# Altium PCB GameBoard_V1I1.PcbDoc (part 8 of 22)
Units mil, origin at the board's own origin, x right, y up, seen from the top; angles counter-clockwise.
Board outline 7165.35 x 2814.96 mil, 12 copper layers (L1, L2, L3, L4, L5 (PWR), L6 (PWR), L7 (PWR), L8 (PWR), L9, L10, L11, L12), stack 61.575 mil thick; 1551 components, 1072 nets, 5467 pads, 3785 vias.
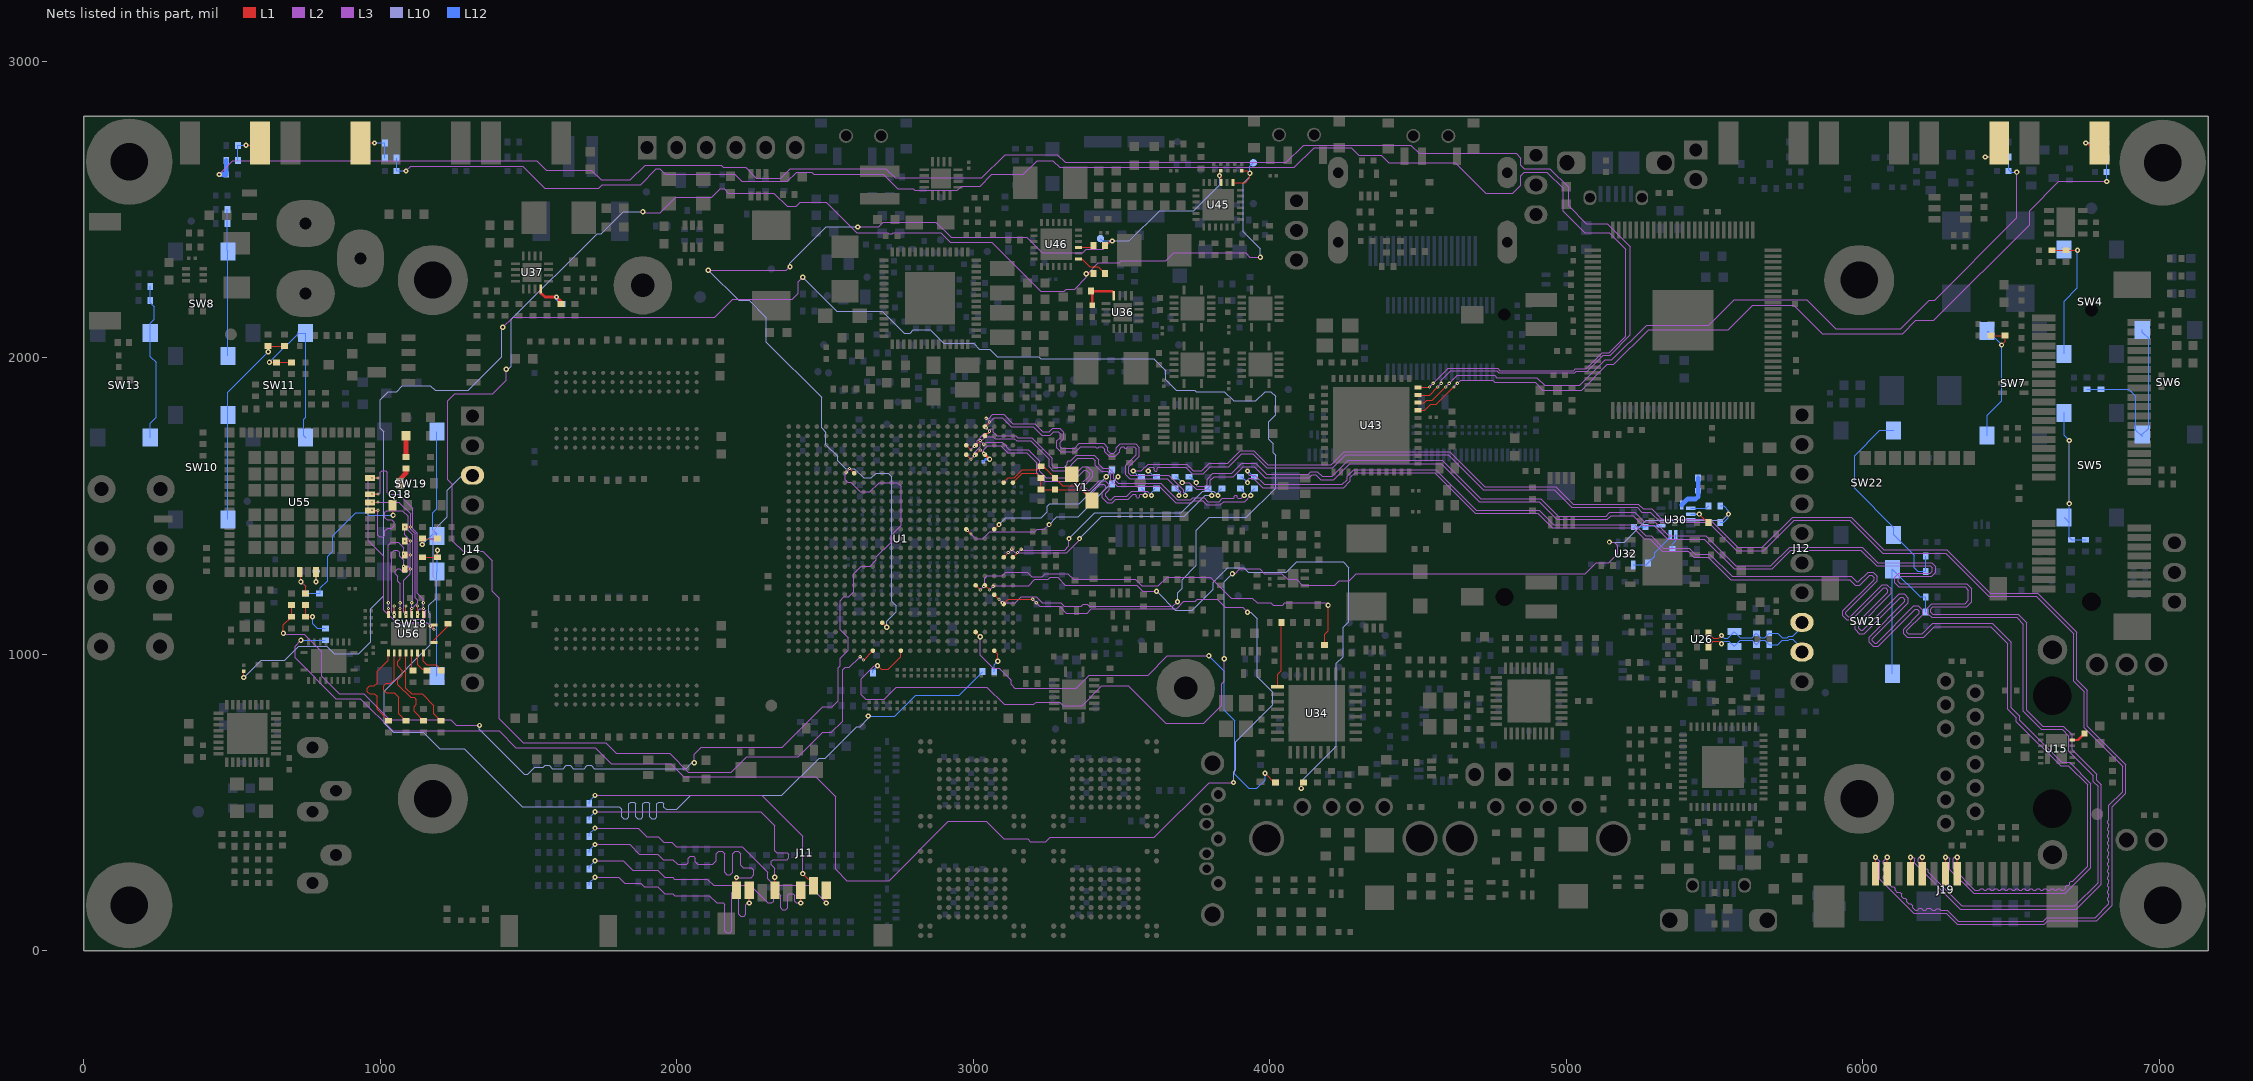
[diagram p18: the nets of this part, all layers, seen from the top]

## Via types
v1: diameter 17.72, hole 7.87, L1 to L12, 1935 vias
v2: diameter 17.72, hole 7.87, L1 to L12, tented both sides, 995 vias
v3: diameter 10.63, hole 3.94, L1 to L2, 334 vias
v4: diameter 11.81, hole 3.94, L2 to L3, 334 vias
v5: diameter 10.63, hole 3.94, L11 to L12, 94 vias
v6: diameter 11.81, hole 3.94, L10 to L11, 93 vias

## Nets (pads, with @x,y where several pads share a name; then routed paths per layer and width w, separated by ;. In a path a pad name is that pad's centre, name@x,y a point inside that pad or via, vN(x,y) a via of type N, cw(c..) or ccw(c..) an arc to the next point about the centre after c; other vN are vias at no path point) (continued)
BOOT_CLK: J11.5 R618.2 R619.2 | length 975.3
  L1 w3.15: J11.5@2331.3,203.74 v2@2331.3,248.03
  L3 w3.15: v1(1724.41,468.5) 2283.46,468.5 2331.3,420.67 2331.3,350.39 2331.3,336.61 2337.2,330.71 2371.96,330.71 2377.87,324.8 2377.87,312.99 2371.96,307.09 2331.3,307.09 2325.39,307.09 2319.49,301.18 2319.49,289.37 2325.39,283.46 2331.3,277.56 2331.3,271.65 v2@2331.3,248.03
  L12 w3.15: R618.2@1704.72,440.95 1704.72,448.82 v1(1724.41,468.5)
  other v2: 2330.71,248.03
BOOT_CMD: J11.3 R616.2 R617.2 | length 975.3
  L1 w3.15: v2(2417.91,160.83) J11.3@2417.91,203.74
  L3 w3.15: v1(1724.41,303.15) 1818.9,303.15 1851.38,270.67 1935.25,270.67 1958.87,247.05 1985.75,247.05 1991.66,241.14 2010.05,241.14 2103.35,241.14 2124.02,220.47 2248.03,220.47 2307.68,160.83 2314.96,160.83 2320.87,160.83 2326.77,166.73 2326.77,186.51 2332.68,192.42 2344.49,192.42 2350.39,186.51 2350.39,160.83 2350.39,143.95 2356.3,138.04 2368.11,138.04 2374.02,143.95 2374.02,160.83 2374.02,186.51 2379.92,192.42 2391.73,192.42 2397.64,186.51 2397.64,166.73 2403.54,160.83 v2(2417.91,160.83)
  L12 w3.15: R616.2@1704.72,275.59 1704.72,283.46 v1(1724.41,303.15)
BOOT_DATA0: J11.7 R221.2 R229.2 | length 975.3
  L1 w3.15: v2(2244.69,160.83) J11.7@2244.69,203.74
  L3 w3.15: v1(1724.41,248.03) 1804.13,248.03 1824.8,227.36 1878.94,227.36 1890.75,215.55 1935.25,215.55 1958.87,191.93 1985.75,191.93 1992.64,185.04 2110.24,185.04 2134.45,160.83 2137.8,160.83 2156.1,160.83 2162.01,154.92 2162.01,66.84 2167.91,60.93 2179.72,60.93 2185.63,66.84 2185.63,160.83 2185.63,194.98 2191.54,200.88 2203.35,200.88 2209.25,194.98 2209.25,160.83 2209.25,122.69 2215.16,116.78 2226.97,116.78 2232.87,122.69 2232.87,154.92 2238.78,160.83 v2(2244.69,160.83)
  L12 w3.15: R221.2@1704.72,220.47 1704.72,228.35 v1(1724.41,248.03)
BOOT_DATA1: J11.8 R230.2 R559.2 | length 977.2
  L1 w3.15: J11.8@2201.38,203.74 v2(2201.38,246.65)
  L3 w3.15: v1(1724.41,358.27) 1841.54,358.27 1874.02,325.79 1935.25,325.79 1953.95,307.09 1987,307.09 2002.74,291.34 2033.46,291.34 2039.37,297.24 2039.37,312.01 2045.28,317.92 2057.09,317.92 2062.99,312.01 2062.99,299.21 2070.87,291.34 2122.05,291.34 2133.86,303.15 2133.86,326.77 2141.73,334.65 2153.54,334.65 2161.42,326.77 2161.42,263.78 2169.29,255.91 2181.1,255.91 2188.98,263.78 2188.98,326.77 2196.85,334.65 2207.31,334.65 2215.34,326.61 2215.34,288.6 2224.41,279.53 2251.97,279.53 2259.84,271.65 2259.84,255.91 2250.59,246.65 v2(2201.38,246.65)
  L12 w3.15: R230.2@1704.72,330.71 1704.72,338.58 v1(1724.41,358.27)
BOOT_DATA2: J11.1 R560.2 R561.2 | length 975.3
  L1 w3.15: v2(2504.53,160.83) J11.1@2504.53,203.74
  L3 w3.15: v1(1724.41,413.39) 1870.08,413.39 1898.62,384.84 1937.99,384.84 1956.69,366.14 1983.06,366.14 1998.81,350.39 2220.47,350.39 2307.09,263.78 2307.09,243.32 2329.93,220.47 2444.88,220.47 v2(2504.53,160.83)
  L12 w3.15: R560.2@1704.72,385.83 1704.72,393.7 v1(1724.41,413.39)
BOOT_DATA3: J11.2 R580.2 R615.2 | length 974.8
  L1 w3.15: v2(2425.2,259.84) 2461.22,223.82 J11.2@2461.22,219.49
  L3 w3.15: v1(1724.41,523.62) 2287.4,523.62 2425.2,385.83 v2(2425.2,259.84)
  L12 w3.15: R580.2@1704.72,496.06 1704.72,503.94 v1(1724.41,523.62)
BOOT_MODE0: R82.1 R86.2 U1.C12 | length 493.3
  L1 w3.15: U1.C12@3070.87,1421.26 v1(3086.61,1437.01)
  L10 w3.15: v1(3086.61,1437.01) 3109.96,1460.35 3228.59,1460.35 3249.02,1480.78 3249.02,1498.24 3258.49,1507.72 3358.11,1507.72 v1(3448.82,1598.43)
  L12 w3.15: v1(3448.82,1598.43) 3468.5,1618.11 R86.2@3468.5,1622.05
BOOT_MODE1: R81.1 R85.2 U1.F12 | length 680.4
  L1 w3.15: U1.F12@2976.38,1421.26 v3(2992.13,1405.51)
  L3 w3.15: v4(2980.31,1417.32) 3007.88,1389.76 3031.5,1389.76 3055.12,1413.39 3208.14,1413.39 3216.02,1421.26 3240.16,1421.26 v2(3255.91,1437.01)
  L10 w3.15: v2@3259.84,1437.01 v2(3255.91,1437.01) 3282.48,1463.58 3353.35,1463.58 3452.08,1562.32 v1(3488.19,1598.43)
  L2 w3.15: v4(2980.31,1417.32) v3(2992.13,1405.51)
  L12 w3.15: R81.1@3468.5,1574.8 3468.5,1578.74 v1(3488.19,1598.43)
BT_AUD_CLK: U55.60 U56.1 | length 735.4
  L1 w3.15: U55.60@965.55,1594.49 v3(992.13,1594.49) ; v3(1181.1,1082.68) U56.1@1181.1,1098.43
  L3 w3.15: v4(972.44,1594.49) 965.55,1594.49 959.65,1588.58 959.65,1382.87 1011.81,1330.71 1011.81,1148.62 1055.12,1105.31 1158.46,1105.31 v4(1169.29,1094.49)
  L2 w3.15: v4(972.44,1594.49) v3(992.13,1594.49) ; v4(1169.29,1094.49) v3(1181.1,1082.68)
BT_AUD_FSYNC: U55.58 U56.3 | length 723.7
  L1 w3.15: U55.58@965.55,1539.37 991.14,1539.37 v3(992.13,1540.35) ; U56.3@1145.67,1133.86 v3(1145.67,1153.54)
  L3 w3.15: v4@972.44,1539.37 994.09,1539.37 1000,1545.28 1000,1613.46 1005.91,1619.37 1017.72,1619.37 1023.62,1613.46 1023.62,1544.29 1028.54,1539.37 1062.99,1539.37 1110.24,1492.13 1110.24,1423.8 1125.39,1408.65 1125.39,1205.32 1145.67,1185.04 v4(1145.67,1173.23)
  L2 w3.15: v4(972.44,1540.35) v3(992.13,1540.35) ; v3(1145.67,1153.54) v4(1145.67,1173.23)
BT_AUD_IN: U55.56 U56.5 | length 722.5
  L1 w3.15: U55.56@965.55,1484.25 991.14,1484.25 v3(992.13,1485.24) ; U56.5@1106.3,1133.86 v3(1106.3,1153.54)
  L3 w3.15: v4@972.44,1484.25 986.22,1484.25 992.13,1478.35 992.13,1401.57 998.03,1395.67 1009.84,1395.67 1015.75,1401.57 1015.75,1416.34 1024.61,1425.2 1039.37,1425.2 1047.24,1433.07 1047.24,1444.88 1039.37,1452.76 1023.62,1452.76 1015.75,1460.63 1015.75,1478.35 1021.65,1484.25 1074.8,1484.25 1094.49,1464.57 1094.49,1417.28 1109.65,1402.12 1109.65,1176.57 v4(1106.3,1173.23)
  L2 w3.15: v4(972.44,1485.24) v3(992.13,1485.24) ; v3(1106.3,1153.54) v4(1106.3,1173.23)
BT_AUD_OUT: U55.57 U56.4 | length 740
  L1 w3.15: U55.57@965.55,1511.81 991.14,1511.81 v3(992.13,1512.8) ; v4(1125.98,1133.86) v3(1125.98,1162.37)
  L3 w3.15: v4(972.44,1512.8) 1062.68,1512.8 1102.36,1473.12 1102.36,1420.54 1117.52,1405.39 1117.52,1190.24 1125.98,1181.78 1125.98,1173.23 1102.36,1149.61 1102.36,1125.98 1110.24,1118.11 1145.67,1118.11 1153.54,1125.98 1153.54,1145.67 1145.67,1153.54 1133.86,1153.54 1125.98,1145.67 v4(1125.98,1133.86)
  L2 w3.15: v4(972.44,1512.8) v3(992.13,1512.8) ; v4(1125.98,1133.86) v3(1125.98,1162.37)
BT_CSPI_RXD: R529.2 U56.16 | length 56.7
  L1 w3.15: U56.16@1106.3,1003.94 1106.3,952.76 R529.2@1110.24,948.82
BT_CSPI_TXC: R526.2 U56.20 | length 82.6
  L1 w3.15: U56.20@1181.1,1039.37 1181.1,1047.24 1228.35,1094.49 R526.2@1228.35,1102.36
BT_CSPI_TXD: R528.2 U56.17 | length 77.4
  L1 w3.15: U56.17@1125.98,1003.94 1125.98,964.57 1141.73,948.82 R528.2@1157.48,948.82
BT_CSPI_TXFS: R527.2 U56.18 | length 98
  L1 w3.15: U56.18@1145.67,1003.94 1145.67,976.38 1157.48,964.57 1188.98,964.57 R527.2@1204.72,948.82
BT_EN: Q18.1 R548.2 R554.1 R556.1 U55.41 | length 664
  L1 w3.15: U55.41@728.35,1276.57 732.28,1272.64 v1(732.28,1244.09) 748.03,1228.35 R548.2@748.03,1204.72 ; Q18.1@1042.72,1505.96 1042.72,1469.09 v1(1043.31,1468.5)
  L12 w3.15: v1(732.28,1244.09) 748.03,1228.35 R554.1@748.03,1204.72 R556.1@795.28,1204.72 798.23,1204.72 798.23,1223.43 822.83,1248.03 822.83,1330.71 839.57,1347.44 839.57,1398.62 917.32,1476.38 952.76,1476.38 960.63,1468.5 v1(1043.31,1468.5)
BT_EN_D: Q18.3 R516.2 | length 52.8
  L1 w15.75: Q18.3@1068.31,1580.77 1068.31,1591.93 1086.61,1610.24 R516.2@1086.61,1625.98
BT_EN_LED: D54.1 R516.1 | length 70.9
  L1 w15.75: R516.1@1086.61,1665.35 D54.1@1086.61,1736.22
BT_EN_R: R548.1 R550.2 R623.2 R624.2 | length 136.4
  L1 w3.15: R548.1@748.03,1165.35 R550.2@748.03,1125.98 v1(771.65,1125.98)
  L12 w3.15: v1(771.65,1125.98) 771.65,1102.36 787.4,1086.61 R623.2@814.96,1086.61
BT_HCI_CTS: R514.1 U56.9 | length 362.6
  L1 w3.15: U56.9@1027.56,1133.86 v3(1027.56,1153.54) ; R514.1@1082.68,1334.65 v3(1102.36,1334.65)
  L3 w3.15: v4(1027.56,1173.23) 1027.56,1368.11 1036.42,1376.97 1061.02,1376.97 1078.74,1359.25 v4(1078.74,1337.6)
  L2 w3.15: v3(1027.56,1153.54) v4(1027.56,1173.23) ; v4(1078.74,1337.6) 1087.9,1337.6 1090.86,1334.65 v3(1102.36,1334.65)
BT_HCI_RTS: R512.1 U56.8 | length 400.6
  L1 w3.15: v4(1047.24,1133.86) v3(1047.24,1162.37) ; R512.1@1082.68,1287.4 v3(1102.36,1287.4)
  L3 w3.15: v4(1047.24,1133.86) 1039.37,1141.73 1039.37,1342.52 1047.24,1350.39 1058.07,1350.39 1065,1343.46 1065,1330.33 1078.74,1316.59 v4(1078.74,1296.26)
  L2 w3.15: v4(1047.24,1133.86) v3(1047.24,1162.37) ; v4(1078.74,1296.26) 1093.5,1296.26 v3(1102.36,1287.4)
BT_HCI_RX: R517.1 U56.6 | length 412.4
  L1 w3.15: v4(1082.68,1429.13) v3(1102.36,1429.13) ; v4(1086.61,1133.86) v3(1086.61,1162.37)
  L3 w3.15: v4(1082.68,1429.13) 1082.68,1402.32 1101.77,1383.23 1101.77,1326.74 1101.77,1271.65 1078.74,1248.62 1078.74,1141.73 v4(1086.61,1133.86)
  L2 w3.15: v4(1082.68,1429.13) v3(1102.36,1429.13) ; v4(1086.61,1133.86) v3(1086.61,1162.37)
BT_HCI_TX: R515.1 U56.7 | length 348.8
  L1 w3.15: U56.7@1066.93,1133.86 v3(1066.93,1153.54) ; v4(1082.68,1381.89) v3(1102.36,1381.89)
  L3 w3.15: v4(1066.93,1173.23) 1066.93,1238.33 1059.19,1246.06 1059.19,1263.64 1051.18,1271.65 1051.18,1279.53 1059.06,1287.4 1066.93,1287.4 1066.93,1287.28 1078.03,1276.18 1087.32,1276.18 1093.9,1282.75 1093.9,1330 1093.9,1370.67 v4(1082.68,1381.89)
  L2 w3.15: v3(1066.93,1153.54) v4(1066.93,1173.23) ; v4(1082.68,1381.89) v3(1102.36,1381.89)
BT_UART_CTS: R531.2 R628.2 U56.12 | length 305.5
  L1 w3.15: R531.2@1027.56,775.59 989.17,813.98 989.17,857.28 980.32,866.14 964.57,866.14 956.69,874.02 956.69,885.83 964.57,893.7 980.32,893.7 989.17,902.56 989.17,941.93 1027.56,980.31 U56.12@1027.56,1003.94
BT_UART_DBG: TP59.1 U55.43 | length 67.9
  L1 w3.15: v1(783.46,1244.09) U55.43@783.46,1276.57
  L12 w3.15: v1(783.46,1244.09) TP59.1@783.46,1279.53
BT_UART_RTS: R530.2 R627.2 U56.13 | length 299.4
  L1 w3.15: U56.13@1047.24,1003.94 1047.24,913.39 1035.43,901.57 1019.68,901.57 1011.81,893.7 1011.81,877.95 1019.69,870.08 1047.24,870.08 1062.99,854.33 1062.99,799.21 R530.2@1086.61,775.59
BT_UART_RXD: R220.2 R585.2 U56.14 | length 294
  L1 w3.15: U56.14@1066.93,1003.94 1066.93,984.25 1059.06,976.38 1059.06,960.63 1074.8,944.88 1074.8,929.13 1059.06,913.39 1059.06,897.64 1102.36,854.33 1114.17,854.33 1122.05,846.46 1122.05,830.71 1114.17,822.83 1114.17,807.09 R220.2@1145.67,775.59
BT_UART_TXD: R584.2 R586.2 U56.15 | length 298
  L1 w3.15: U56.15@1086.61,1003.94 1086.61,885.83 1106.3,866.14 1141.73,866.14 1181.1,826.77 1181.1,799.21 R584.2@1204.72,775.59
BTN_OR_USER_LED_4: R287.1 R288.1 U34.1 | length 220.9
  L1 w3.15: U34.1@4026.57,890.75 4026.57,932.09 4039.37,944.88 R287.1@4039.37,1106.3
BUMP_L1: C407.1 R408.1 U43.19 | length 2856
  L1 w3.15: U43.19@4500,1822.83 4523.62,1822.83 4543.31,1842.52 4562.39,1842.52 v3(4621.45,1901.57)
  L3 w3.15: v4(4633.26,1913.39) 4644.09,1924.21 4752.12,1924.21 4759.01,1917.32 4894.94,1917.32 4921.51,1890.75 5052.01,1890.75 5138.63,1977.36 5160.84,1977.36 5277.96,2094.49 5547.24,2094.49 5629.92,2177.17 5767.72,2177.17 5863.56,2081.33 6134.53,2081.33 6179.19,2125.98 6240.16,2125.98 6562.99,2448.82 6562.99,2496.06 6661.42,2594.49 v1(6822.83,2594.49)
  L2 w3.15: v3(4621.45,1901.57) v4(4633.26,1913.39)
  L12 w3.15: v1(6822.83,2594.49) C407.1@6822.83,2625.98 R408.1@6822.83,2673.23
BUMP_L2: C406.1 R411.1 U43.20 | length 2616.3
  L1 w3.15: U43.20@4500,1848.43 4521.65,1848.43 4529.53,1856.3 4548.62,1856.3 v3(4593.89,1901.57)
  L3 w3.15: v4(4605.7,1913.39) 4605.7,1913.67 4632,1939.96 4758.64,1939.96 4765.53,1933.07 4901.46,1933.07 4928.03,1906.5 5045.49,1906.5 5132.1,1993.11 5154.31,1993.11 5271.44,2110.24 5480.31,2110.24 5565.94,2195.87 5810.66,2195.87 5909.45,2097.07 6128.01,2097.07 6224.83,2193.9 6242.34,2193.9 6511.81,2463.37 6519.69,2471.25 v1(6519.69,2625.98)
  L2 w3.15: v3(4593.89,1901.57) v4(4605.7,1913.39)
  L12 w3.15: R411.1@6492.13,2677.17 6492.13,2633.86 6496.06,2629.92 6500,2625.98 v1(6519.69,2625.98)
BUMP_R1: C409.1 R409.1 U43.21 | length 6311.8
  L1 w3.15: U43.21@4500,1874.02 4539.37,1874.02 v3(4566.93,1901.57)
  L3 w3.15: v1(456.69,2618.11) 502.95,2664.37 1527.56,2664.37 1559.06,2632.87 1712.39,2632.87 1745.85,2599.41 1843.5,2599.41 1893.7,2649.61 2149.61,2649.61 2157.48,2641.73 2232.28,2641.73 2268.7,2605.31 2350.39,2605.31 2382.87,2637.8 2704.72,2637.8 2736.22,2606.3 3028.75,2606.3 3107.49,2685.04 3283.46,2685.04 3310.04,2658.46 4056.1,2658.46 4114.17,2716.54 4476.38,2716.54 4503.94,2688.98 4830.71,2688.98 4846.46,2673.23 4846.46,2649.61 4858.27,2637.8 4944.88,2637.8 5007.87,2574.8 5007.87,2511.81 5067.91,2451.77 5138.78,2451.77 5216.54,2374.02 5216.54,2077.6 5147.79,2008.86 5125.58,2008.86 5071.45,1954.72 5033.93,1954.72 5028.02,1948.82 4772.06,1948.82 4765.17,1955.71 4610.71,1955.71 4578.74,1923.74 v4(4578.74,1913.39)
  L2 w3.15: v3(4566.93,1901.57) v4(4578.74,1913.39)
  L12 w15.75: v1(456.69,2618.11) C409.1@480.32,2618.11 R409.1@480.32,2665.35
BUMP_R2: C408.1 R412.1 U43.22 | length 5724
  L1 w3.15: U43.22@4500,1899.61 4537.4,1899.61 v3(4539.37,1901.57)
  L3 w3.15: v1(1086.61,2629.92) 1102.36,2645.67 1480.31,2645.67 1555.12,2570.87 1736.22,2570.87 1749.25,2583.9 1877.98,2583.9 1930.89,2636.81 1943.12,2636.81 1961.82,2618.11 2195.66,2618.11 2219.28,2594.49 2373.5,2594.49 2404.01,2625 2454.93,2625 2461.82,2618.11 2696.85,2618.11 2745.08,2569.88 2797.45,2569.88 2803.36,2563.98 2945.87,2563.98 2960.63,2578.74 3023.62,2578.74 3062.99,2618.11 3169.29,2618.11 3215.55,2664.37 3268.7,2664.37 3291.34,2641.73 4082.68,2641.73 4149.61,2708.66 4274.4,2708.66 4300.97,2682.09 4376.97,2682.09 4401.57,2657.48 4625.98,2657.48 4728.35,2555.12 4819.88,2555.12 4846.46,2581.69 4846.46,2614.17 4858.27,2625.98 4935.04,2625.98 4990.16,2570.87 4990.16,2494.09 5062.99,2421.26 5145.67,2421.26 5200.79,2366.14 5200.79,2072.99 5144.53,2016.73 5122.32,2016.73 5068.19,1962.6 5030.67,1962.6 5024.76,1956.69 4775.32,1956.69 4768.43,1963.58 4601.38,1963.58 v4(4551.18,1913.39)
  L2 w3.15: v3(4539.37,1901.57) v4(4551.18,1913.39)
  L12 w3.15: R412.1@1055.12,2673.23 C408.1@1055.12,2629.92 v1(1086.61,2629.92)
BUT_L1: R404.1 R408.2 SW14.2 | length 147.9
  L1 w3.15: v1(6751.97,2724.41) 6755.91,2724.41 SW14.2@6799.21,2681.1
  L12 w3.15: v1(6751.97,2724.41) R404.1@6783.46,2724.41 R408.2@6783.46,2673.23
BUT_L2: R405.1 R411.2 SW16.2 | length 135.5
  L1 w3.15: v1(6413.39,2677.17) 6456.69,2677.17 SW16.2@6460.63,2681.1
  L12 w3.15: v1(6413.39,2677.17) R411.2@6452.76,2677.17 ; R411.2@6452.76,2681.1 R405.1@6452.76,2728.35
BUT_LD: R377.1 R381.2 SW5.3 SW5.4 | length 511
  L10 w3.15: v1(6696.85,1507.87) v1(6696.85,1720.47)
  L12 w3.15: SW5.3@6679.13,1461.61 SW5.3@6696.85,1443.9 ; SW5.4@6679.13,1813.98 6679.13,1738.19 v1(6696.85,1720.47) ; v1(6696.85,1507.87) SW5.3@6696.85,1443.9 ; R381.2@6751.97,1385.83 R377.1@6704.72,1385.83 6696.85,1393.7 SW5.3@6696.85,1443.9
BUT_LL: R378.1 R383.2 SW6.3 SW6.4 | length 697.1
  L12 w3.15: R383.2@6755.91,1893.7 6897.64,1893.7 6921.26,1870.08 6921.26,1755.91 6942.91,1734.25 SW6.3@6942.91,1741.14 6964.57,1762.8 6964.57,2064.96 6942.91,2086.61 SW6.4@6942.91,2093.5
BUT_LR: R379.1 R388.2 SW7.3 SW7.4 | length 478.6
  L1 w3.15: R388.2@6433.07,2074.8 R379.1@6480.32,2074.8 6480.32,2054.89 v1(6468.5,2043.08)
  L12 w3.15: SW7.3@6419.29,1737.2 6419.29,1805.12 6468.5,1854.33 v1(6468.5,2043.08) 6422.01,2089.57 SW7.4@6419.29,2089.57
BUT_LU: R376.1 R380.2 SW4.3 SW4.4 | length 501.3
  L1 w3.15: R380.2@6637.8,2362.2 R376.1@6685.04,2362.2 v1(6724.41,2362.2)
  L12 w3.15: SW4.3@6679.13,2012.8 6679.13,2190.94 6724.41,2236.22 v1(6724.41,2362.2) 6682.09,2362.2 SW4.4@6679.13,2365.16
BUT_R1: R406.1 R409.2 SW15.2 | length 161.4
  L1 w3.15: v1(547.24,2716.54) 594.49,2716.54 SW15.2@594.49,2681.1
  L12 w3.15: R409.2@519.69,2665.35 R406.1@519.69,2716.54 v1(547.24,2716.54)
BUT_R2: R407.1 R412.2 SW17.2 | length 170.2
  L1 w3.15: SW17.2@933.07,2681.1 933.07,2712.6 944.88,2724.41 v1(980.32,2724.41)
  L12 w3.15: v1(980.32,2724.41) R407.1@1015.75,2724.41 R412.2@1015.75,2673.23
BUT_RD: R393.1 R400.2 SW10.3 SW10.4 | length 696
  L1 w3.15: v1(622.05,2019.68) R393.1@622.05,2039.37 R400.2@677.17,2039.37
  L12 w3.15: SW10.4@486.22,1454.72 SW10.3@486.22,1807.09 486.22,1883.86 v1(622.05,2019.68)
BUT_RL: R394.1 R402.2 SW11.3 SW11.4 | length 591.8
  L1 w3.15: v1@629.92,1984.25 R402.2@700.79,1984.25
  L12 w3.15: v1(625.98,1984.25) 724.41,2082.68 SW11.3@748.03,2082.68 748.03,1799.42 741.14,1792.53 741.14,1737.2 SW11.4@748.03,1730.31
BUT_RR: R395.1 R403.2 SW13.3 SW13.4 | length 541.5
  L12 w3.15: SW13.4@224.41,1730.31 224.41,1779.53 244.09,1799.21 244.09,1984.25 224.41,2003.94 SW13.3@224.41,2082.68 224.41,2116.14 238.19,2129.92 238.19,2172.24 224.41,2186.02 R395.1@224.41,2192.91 ; R403.2@224.41,2240.16 R395.1@224.41,2196.85 ; R395.1@224.41,2192.91 R395.1@224.41,2196.85 ; R395.1@224.41,2192.91 R395.1@224.41,2196.85
BUT_RU: R392.1 R398.2 SW8.3 SW8.4 | length 494.9
  L12 w3.15: R398.2@484.25,2500 484.25,2360.24 SW8.3@486.22,2358.27 SW8.4@486.22,2005.91
BUT_SEL_L1: R422.1 R424.2 SW21.3 SW21.4 | length 554.5
  L12 w3.15: SW21.4@6100.39,934.06 SW21.3@6100.39,1286.42 6193.9,1192.91 R422.1@6212.6,1192.91 R424.2@6212.6,1141.73
BUT_SEL_L2: R423.1 R428.2 SW22.3 SW22.4 | length 723.9
  L12 w3.15: SW22.3@6104.33,1754.92 6058.07,1754.92 5972.44,1669.29 5972.44,1559.06 6104.33,1427.17 SW22.4@6104.33,1402.56 6173.23,1333.66 6173.23,1291.34 6185.04,1279.53 R423.1@6212.6,1279.53 R428.2@6212.6,1330.71
BUT_SEL_R1: R414.1 R419.2 SW18.3 SW18.4 | length 499.8
  L1 w3.15: R414.1@1141.73,1326.77 R419.2@1192.91,1326.77 v1(1192.91,1350.39)
  L12 w3.15: SW18.4@1190.94,926.18 SW18.3@1190.94,1278.54 1192.91,1280.51 v1(1192.91,1350.39)
BUT_SEL_R2: R415.1 R421.2 SW19.3 SW19.4 | length 498.9
  L1 w3.15: v1(1141.73,1370.08) R415.1@1141.73,1389.76 R421.2@1192.91,1389.76
  L12 w3.15: v1(1141.73,1370.08) 1178.15,1406.5 SW19.4@1190.94,1406.5 ; SW19.4@1190.94,1398.62 SW19.4@1190.94,1406.5 ; SW19.3@1190.94,1750.98 1190.94,1490.16 1177.17,1476.38 1177.17,1420.28 SW19.4@1190.94,1406.5
CAN_N: C309.1 J12.8 R246.1 R251.2 U26.6 | length 400.9
  L1 w3.35: R251.2@5480.32,1070.87 5482.09,1069.09 5482.09,1068.21 5496.06,1054.23 5514.86,1054.23 v1(5523.62,1062.99)
  L12 w3.35: v1(5523.62,1062.99) 5532.38,1054.23 5544.98,1054.23 U26.6@5566.93,1076.18 5586.91,1056.2 5627.07,1056.2 R246.1@5641.73,1070.87 5656.4,1056.2 5670.37,1056.2 C309.1@5685.04,1070.87 5713.51,1070.87 5728.18,1056.2 5745.08,1056.2 5749.9,1061.02 5763.78,1061.02 5795.28,1092.52 J12.8@5795.28,1107.09
CAN_P: C306.1 J12.9 R241.2 R249.2 U26.7 | length 401
  L1 w3.35: R249.2@5480.32,1023.62 5482.09,1025.39 5482.09,1030.22 5496.06,1044.19 5514.86,1044.19 v1(5523.62,1035.43)
  L12 w3.35: v1(5523.62,1035.43) 5532.38,1044.19 5548.92,1044.19 U26.7@5566.93,1026.18 5586.91,1046.16 5627.07,1046.16 R241.2@5641.73,1031.5 5656.4,1046.16 5670.37,1046.16 C306.1@5685.04,1031.5 5713.51,1031.5 5728.18,1046.16 5749.24,1046.16 5754.06,1050.98 5763.78,1050.98 5795.28,1019.49 J12.9@5795.28,1007.09
CFF: C192.2 U15.11 | length 49.9
  L1 w7.87: U15.11@6707.09,710.63 6726.38,710.63 C192.2@6748.03,732.28
CHARGE_C\E\: R474.1 R480.2 TP50.1 U1.R22 U45.9 | length 3702.4
  L1 w3.15: U1.R22@2692.91,1106.3 v2(2708.66,1090.55) ; R480.2@3444.88,2377.95 3444.88,2374.02 3464.57,2393.7 v1(3468.5,2393.7) ; R474.1@3834.65,2631.3 3830.71,2627.36 v1(3830.71,2614.17) 3836.61,2608.27 U45.9@3836.61,2590.55
  L3 w3.15: v1(2106.3,2295.28) 2370.08,2295.28 v1(2381.89,2307.09) ; v1(2610.24,2440.94) 2681.1,2440.94 2696.85,2456.69 2874.02,2456.69 2925.2,2405.51 3181.1,2405.51 3232.28,2354.33 3369.87,2354.33 3381.68,2366.14 3437.68,2366.14 3465.24,2393.7 v1(3468.5,2393.7)
  L10 w3.15: v1(2106.3,2295.28) 2208.66,2192.91 2244.09,2192.91 2302.17,2134.84 2302.17,2052.17 2488.19,1866.14 2488.19,1763.78 2502.95,1749.02 2502.95,1706.23 2542.32,1666.86 2542.32,1651.94 2569.26,1625 2599.41,1625 2629.92,1594.49 2656.29,1594.49 2672.03,1610.24 2713.79,1610.24 2725.39,1598.64 2725.39,1178.92 2740.16,1164.16 2740.16,1142.73 2734.24,1136.81 2734.04,1136.81 2725.39,1128.16 2725.39,1127.97 2708.66,1111.24 v2(2708.66,1090.55) ; v1(2381.89,2307.09) 2381.89,2318.9 2503.94,2440.94 v1(2610.24,2440.94) ; v1(3468.5,2393.7) 3526.57,2393.7 3628.94,2496.06 3744.09,2496.06 3830.71,2582.68 v1(3830.71,2614.17)
  L12 w3.15: TP50.1@3429.13,2401.57 3437.01,2393.7 v1(3468.5,2393.7)
CHARGE_C\E\2: R480.1 U46.9 | length 53.6
  L1 w3.15: U46.9@3354.33,2372.05 3399.61,2372.05 R480.1@3405.51,2377.95
CHARGE_INT: R472.1 R481.2 TP48.1 U1.T25 U45.7 | length 6666.6
  L1 w3.15: v3(2629.92,980.31) U1.T25@2661.42,1011.81 ; v1(3380.91,2283.46) R481.2@3405.51,2283.46 ; U45.7@3875.98,2590.55 3917.32,2590.55 3933.07,2606.3 v1(3933.07,2622.05) 3923.82,2631.3 R472.1@3905.51,2631.3
  L3 w3.15: v2(1425.2,1960.63) 1425.2,1924 1379.15,1877.95 1250.73,1877.95 1228.35,1855.57 1228.35,1587.97 1243.36,1572.95 1243.36,1383.3 1279.36,1347.3 1345.61,1347.3 1377.95,1314.96 1377.95,1212.6 1401.57,1188.98 1401.57,782.27 1483.06,700.79 1759.84,700.79 1795.14,665.49 1976.24,665.49 2039.37,602.36 2184.36,602.36 2235.55,653.54 2409.24,653.54 2491.92,736.22 2521.65,736.22 2560.04,774.61 2560.04,947.06 2568.69,955.71 2581.69,955.71 v4(2618.11,992.13) ; v1(1885.83,2492.13) 1888.78,2489.17 1944.57,2489.17 1996.06,2540.66 2118.21,2540.66 2147.43,2569.88 2159.66,2569.88 2174.42,2555.12 2327.97,2555.12 2372.26,2510.83 2403.75,2510.83 2416.55,2523.62 2504.71,2523.62 2607.07,2421.26 2711.4,2421.26 2714.36,2418.31 2726.59,2418.31 2729.54,2421.26 2890.43,2421.26 2921.92,2389.76 3062.99,2389.76 3228.35,2224.41 3306.47,2224.41 3313.36,2231.3 3341.54,2231.3 3380.91,2270.67 v1(3380.91,2283.46) 3385.83,2283.46 3422.24,2319.88 3492.43,2319.88 3499.32,2326.77 3649.61,2326.77 3676.18,2353.35 3918.31,2353.35 3933.07,2338.58 v1(3968.5,2338.58)